# KiCad board haptic display 8x8 aisler.kicad_pcb (continued)
## Routing (per net, layer and track width the routed paths; a pad name or vN(x,y) marks a point on that pad's centre or on a via; arc(x,y) is an arc through that point) (continued)
81.19,66.73 81.4,66.57 81.58,66.4 81.74,66.2 81.88,65.98 81.99,65.75 82.07,65.51 82.12,65.26 82.14,65 82.13,64.74 82.08,64.49 82.01,64.24 81.91,64 81.78,63.77 81.62,63.56 81.44,63.37 81.24,63.21 81.01,63.07 80.78,62.96 80.52,62.87 80.26,62.82 80,62.8 79.75,62.81 79.51,62.85 79.27,62.91 79.04,63 78.82,63.12 78.61,63.26 78.42,63.42 78.25,63.61 78.1,63.81 77.98,64.03 77.88,64.26 77.8,64.5 77.76,64.75 77.74,65 77.75,65.25 77.79,65.51 77.85,65.75 77.95,65.99 78.07,66.22 78.21,66.43 78.38,66.62 78.57,66.8 78.77,66.95 79,67.08 79.24,67.18 79.48,67.26 79.74,67.31 80,67.33 80.26,67.31 80.52,67.28 80.77,67.21 81.02,67.11 81.25,66.99 81.47,66.84 81.67,66.67 81.85,66.47 82,66.26 82.13,66.03 82.24,65.78 82.32,65.53 82.37,65.27 82.39,65 82.38,64.73 82.34,64.47 82.27,64.21 82.17,63.96 82.04,63.72 81.89,63.49 81.71,63.29 81.51,63.11 81.29,62.94 81.06,62.81 80.8,62.7 80.54,62.62 80.27,62.57 80,62.55 79.74,62.56 79.49,62.6 79.24,62.66 79,62.75 78.76,62.86 78.55,63 78.34,63.16 78.15,63.34 77.99,63.54 77.84,63.75 77.72,63.98 77.62,64.23 77.55,64.48 77.51,64.74 77.49,65 77.5,65.26 77.53,65.52 77.6,65.78 77.69,66.03 77.81,66.27 77.95,66.49 78.11,66.7 78.3,66.89 78.5,67.06 78.72,67.21 78.96,67.34 79.21,67.44 79.47,67.51 79.73,67.56 80,67.58 80.27,67.57 80.54,67.53 80.8,67.46 81.05,67.37 81.3,67.25 81.53,67.1 81.74,66.94 81.94,66.75 82.11,66.54 82.27,66.31 82.39,66.07 82.5,65.81 82.57,65.55 82.62,65.28 82.64,65 82.63,64.72 82.59,64.45 82.52,64.18 82.42,63.92 82.3,63.67 82.15,63.44 81.98,63.22 81.79,63.02 81.57,62.84 81.34,62.68 81.09,62.55 80.83,62.44 80.56,62.37 80.28,62.32 80,62.3 79.73,62.31 79.47,62.34 79.21,62.41 78.96,62.49 78.72,62.6 78.49,62.74 78.27,62.89 78.07,63.07 77.89,63.26 77.72,63.48 77.58,63.71 77.46,63.95 77.37,64.2 77.3,64.46 77.25,64.73 77.24,65 77.25,65.27 77.28,65.54 77.35,65.81 77.43,66.06 77.55,66.31 77.68,66.55 77.84,66.77 78.02,66.98 78.23,67.16 78.44,67.33 78.68,67.47 78.92,67.6 79.18,67.69 79.45,67.76 79.72,67.81 80,67.83 80.28,67.82 80.55,67.78 80.82,67.71 81.09,67.62 81.34,67.51 81.58,67.37 81.81,67.2 82.02,67.02 82.21,66.81 82.38,66.59 82.53,66.35 82.65,66.1 82.75,65.83 82.82,65.56 82.87,65.28 82.89,65 82.88,64.72 82.84,64.44 82.77,64.16 82.68,63.89 82.56,63.63 82.42,63.38 82.25,63.15 82.06,62.94 81.85,62.74 81.63,62.57 81.38,62.42 81.12,62.29 80.85,62.19 80.57,62.11 80.29,62.07 80,62.05 79.73,62.06 79.46,62.09 79.19,62.15 78.93,62.24 78.68,62.34 78.44,62.47 78.21,62.63 77.99,62.8 77.8,62.99 77.62,63.2 77.46,63.43 77.32,63.67 77.2,63.92 77.11,64.18 77.05,64.45 77,64.72 76.99,65 77,65.28 77.03,65.55 77.09,65.83 77.18,66.09 77.29,66.35 77.42,66.6 77.58,66.83 77.75,67.05 77.95,67.25 78.16,67.43 78.39,67.6 78.64,67.74 78.89,67.85 79.16,67.95 79.44,68.02 79.72,68.06 80,68.08 80.28,68.07 80.57,68.03 80.84,67.97 81.12,67.88 81.38,67.77 81.63,67.63 81.87,67.47 82.09,67.29 82.3,67.09 82.48,66.88 82.65,66.64 82.79,66.39 82.91,66.13 83.01,65.86 83.08,65.58 83.12,65.29 83.14,65 83.13,64.71 83.09,64.42 83.03,64.14 82.94,63.86 82.83,63.59 82.69,63.34 82.52,63.09 82.34,62.87 82.14,62.66 81.91,62.47 81.67,62.3 81.42,62.15 81.15,62.03 80.87,61.93 80.59,61.86 80.29,61.82 80,61.8 79.72,61.81 79.44,61.84 79.17,61.9 78.9,61.98 78.64,62.08 78.39,62.21 78.15,62.36 77.93,62.53 77.72,62.72 77.52,62.92 77.35,63.14 77.19,63.38 77.06,63.63 76.95,63.89 76.86,64.16 76.79,64.43 76.75,64.72 76.74,65 76.75,65.28 76.78,65.57 76.84,65.85 76.92,66.12 77.03,66.39 77.16,66.64 77.31,66.89 77.48,67.11 77.67,67.33 77.88,67.53 78.11,67.7 78.35,67.86 78.6,68 78.87,68.11 79.14,68.2 79.42,68.27 79.71,68.31 80,68.33 80.29,68.32 80.58,68.28 80.86,68.22 81.14,68.14 81.41,68.03 81.67,67.9 81.92,67.74 82.16,67.57 82.37,67.37 82.57,67.16 82.75,66.93 82.92,66.68 83.05,66.42 83.17,66.15 83.26,65.87 83.33,65.59 83.37,65.29 83.39,65 83.38,64.7 83.34,64.41 83.28,64.12 83.2,63.84 83.09,63.56 82.95,63.3 82.79,63.04 82.62,62.8 82.42,62.58 82.2,62.38 81.96,62.19 81.71,62.03 81.45,61.89 81.18,61.77 80.89,61.68 80.6,61.61 80.3,61.57 80,61.55 79.71,61.56 79.43,61.59 79.15,61.65 78.88,61.72 78.61,61.83 78.35,61.95 78.1,62.09 77.86,62.26 77.64,62.44 77.44,62.64 77.25,62.86 77.08,63.09 76.93,63.34 76.8,63.6 76.69,63.86 76.6,64.14 76.54,64.42 76.5,64.71 76.49,65 76.5,65.29 76.53,65.58 76.59,65.86 76.67,66.14 76.77,66.42 76.89,66.68 77.04,66.93 77.21,67.17 77.39,67.4 77.6,67.61 77.82,67.8 78.06,67.97 78.31,68.13 78.57,68.26 78.84,68.37 79.12,68.46 79.41,68.52 79.71,68.56 80,68.58 80.3,68.57 80.59,68.53 80.88,68.48 81.17,68.39 81.44,68.29 81.71,68.16 81.97,68.01 82.21,67.84 82.44,67.65 82.65,67.44 82.85,67.22 83.03,66.98 83.18,66.72 83.32,66.45 83.43,66.18 83.52,65.89 83.58,65.6 83.62,65.3 83.64,65 83.63,64.7 83.59,64.4 83.54,64.1 83.45,63.81 83.35,63.53 83.22,63.26 83.06,63 82.89,62.75 82.7,62.52 82.49,62.3 82.26,62.1 82.01,61.92 81.75,61.76 81.48,61.63 81.2,61.51 80.91,61.42 80.61,61.36 80.31,61.32 80,61.3 79.71,61.31 79.42,61.34 79.13,61.39 78.85,61.47 78.58,61.57 78.31,61.69 78.06,61.83 77.81,61.99 77.58,62.17 77.36,62.36 77.16,62.57 76.98,62.8 76.81,63.05 76.66,63.3 76.54,63.57 76.43,63.84 76.35,64.12 76.29,64.41 76.25,64.71 76.24,65 76.25,65.3 76.28,65.59 76.33,65.88 76.41,66.17 76.51,66.45 76.63,66.72 76.77,66.98 76.94,67.23 77.12,67.46 77.32,67.68 77.53,67.89 77.77,68.07 78.01,68.24 78.27,68.39 78.54,68.52 78.82,68.63 79.11,68.71 79.4,68.77 79.7,68.81 80,68.83 80.3,68.82 80.6,68.78 80.9,68.73 81.19,68.65 81.47,68.55 81.75,68.42 82.01,68.28 82.26,68.11 82.5,67.93 82.73,67.73 82.93,67.51 83.12,67.27 83.3,67.02 83.45,66.76 83.58,66.48 83.69,66.2 83.77,65.91 83.83,65.61 83.87,65.3 83.89,65 83.88,64.69 83.85,64.39 83.79,64.09 83.71,63.79 83.61,63.51 83.48,63.23 83.33,62.96 83.17,62.7 82.98,62.46 82.77,62.23 82.55,62.02 82.31,61.82 82.05,61.65 81.78,61.5 81.51,61.37 81.22,61.26 80.92,61.17 80.62,61.1 80.31,61.07 80,61.05 79.7,61.06 79.41,61.09 79.12,61.14 78.83,61.21 78.55,61.31 78.28,61.43 78.01,61.56 77.76,61.72 77.52,61.89 77.29,62.08 77.08,62.29 76.88,62.51 76.7,62.75 76.54,63 76.4,63.27 76.28,63.54 76.18,63.82 76.1,64.11 76.04,64.4 76,64.7 75.99,65 76,65.3 76.03,65.6 76.08,65.89 76.15,66.19 76.25,66.47 76.37,66.75 76.51,67.02 76.67,67.27 76.84,67.52 77.04,67.75 77.25,67.97 77.48,68.17 77.72,68.35 77.97,68.51 78.24,68.66 78.52,68.78 78.8,68.88 79.1,68.96 79.39,69.02 79.7,69.06 80,69.08 80.3,69.07 80.61,69.04 80.91,68.98 81.2,68.91 81.49,68.81 81.78,68.69 82.05,68.55 82.31,68.39 82.56,68.21 82.79,68.01 83.01,67.79 83.21,67.56 83.4,67.32 83.57,67.06 83.71,66.79 83.84,66.51 83.94,66.22 84.03,65.92 84.09,65.62 84.12,65.31 84.14,65 84.13,64.69 84.1,64.38 84.04,64.08 83.97,63.78 83.87,63.48 83.74,63.2 83.6,62.92 83.44,62.66 83.26,62.4 83.05,62.17 82.84,61.94 82.6,61.74 82.35,61.55 82.09,61.38 81.81,61.23 81.53,61.1 81.23,61 80.93,60.91 80.63,60.85 80.31,60.81 80,60.8 79.7,60.81 79.4,60.84 79.11,60.89 78.81,60.96 78.53,61.05 78.25,61.16 77.98,61.3 77.72,61.45 77.47,61.62 77.23,61.8 77.01,62.01 76.8,62.23 76.61,62.46 76.43,62.71 76.28,62.97 76.14,63.24 76.02,63.52 75.92,63.8 75.84,64.1 75.79,64.39 75.75,64.7 75.74,65 75.75,65.3 75.78,65.61 75.83,65.91 75.9,66.2 75.99,66.49 76.11,66.78 76.24,67.05 76.4,67.32 76.57,67.57 76.76,67.81 76.96,68.04 77.19,68.25 77.42,68.44 77.67,68.62 77.94,68.78 78.21,68.92 78.49,69.04 78.78,69.14 79.08,69.22 79.39,69.28 79.69,69.31 80,69.33 80.31,69.32 80.62,69.29 80.92,69.23 81.22,69.16 81.52,69.07 81.8,68.95 82.08,68.81 82.35,68.66 82.61,68.48 82.85,68.29 83.08,68.08 83.29,67.85 83.49,67.61 83.67,67.36 83.83,67.09 83.98,66.82 84.1,66.53 84.2,66.23 84.28,65.93 84.34,65.62 84.37,65.31 84.39,65 84.38,64.69 84.35,64.37 84.3,64.07 84.22,63.76 84.12,63.46 84.01,63.17 83.87,62.89 83.71,62.62 83.53,62.36 83.34,62.11 83.12,61.88 82.9,61.66 82.65,61.46 82.39,61.28 82.12,61.11 81.84,60.97 81.55,60.84 81.25,60.74 80.94,60.66 80.63,60.6 80.32,60.56 80,60.55 80,60.35 v1(80.35,60) ; 80.41,48.98 80.36,48.96 80,48.6 80,48.55 79.79,48.56 79.59,48.6 79.39,48.67 79.2,48.76 79.03,48.88 78.88,49.03 78.75,49.19 78.64,49.38 78.56,49.58 78.51,49.79 78.49,50 78.5,50.22 78.54,50.43 78.61,50.64 78.71,50.83 78.84,51.01 78.99,51.17 79.16,51.31 79.35,51.42 79.56,51.5 79.78,51.55 80,51.58 80.22,51.56 80.45,51.52 80.66,51.45 80.86,51.34 81.05,51.21 81.22,51.05 81.36,50.87 81.47,50.67 81.56,50.46 81.62,50.23 81.64,50 81.63,49.77 81.58,49.54 81.51,49.31 81.4,49.1 81.26,48.91 81.09,48.74 80.91,48.59 80.7,48.47 80.48,48.38 80.24,48.32 80,48.3 79.78,48.31 79.56,48.35 79.34,48.41 79.14,48.51 78.95,48.63 78.78,48.78 78.62,48.94 78.49,49.13 78.39,49.33 78.31,49.55 78.26,49.77 78.24,50 78.25,50.23 78.29,50.46 78.36,50.68 78.46,50.89 78.58,51.09 78.73,51.27 78.9,51.43 79.1,51.56 79.31,51.67 79.53,51.75 79.76,51.8 80,51.83 80.24,51.81 80.48,51.77 80.7,51.7 80.92,51.6 81.13,51.47 81.31,51.31 81.48,51.13 81.62,50.93 81.73,50.72 81.81,50.49 81.87,50.25 81.89,50 81.88,49.75 81.83,49.51 81.76,49.27 81.65,49.05 81.52,48.84 81.36,48.64 81.17,48.47 80.96,48.33 80.74,48.21 80.5,48.13 80.25,48.07 80,48.05 79.76,48.06 79.53,48.1 79.3,48.16 79.08,48.26 78.88,48.38 78.69,48.52 78.52,48.68 78.36,48.87 78.24,49.07 78.13,49.29 78.06,49.52 78.01,49.76 77.99,50 78,50.24 78.04,50.48 78.1,50.72 78.2,50.94 78.32,51.16 78.47,51.35 78.64,51.53 78.83,51.69 79.04,51.82 79.27,51.93 79.51,52.01 79.75,52.06 80,52.08 80.25,52.06 80.5,52.02 80.74,51.95 80.97,51.85 81.19,51.73 81.4,51.57 81.58,51.4 81.74,51.2 81.88,50.98 81.99,50.75 82.07,50.51 82.12,50.26 82.14,50 82.13,49.74 82.08,49.49 82.01,49.24 81.91,49 81.78,48.77 81.62,48.56 81.44,48.37 81.24,48.21 81.01,48.07 80.78,47.96 80.52,47.87 80.26,47.82 80,47.8 79.75,47.81 79.51,47.85 79.27,47.91 79.04,48 78.82,48.12 78.61,48.26 78.42,48.42 78.25,48.61 78.1,48.81 77.98,49.03 77.88,49.26 77.8,49.5 77.76,49.75 77.74,50 77.75,50.25 77.79,50.51 77.85,50.75 77.95,50.99 78.07,51.22 78.21,51.43 78.38,51.62 78.57,51.8 78.77,51.95 79,52.08 79.24,52.18 79.48,52.26 79.74,52.31 80,52.33 80.26,52.31 80.52,52.28 80.77,52.21 81.02,52.11 81.25,51.99 81.47,51.84 81.67,51.67 81.85,51.47 82,51.26 82.13,51.03 82.24,50.78 82.32,50.53 82.37,50.27 82.39,50 82.38,49.73 82.34,49.47 82.27,49.21 82.17,48.96 82.04,48.72 81.89,48.49 81.71,48.29 81.51,48.11 81.29,47.94 81.06,47.81 80.8,47.7 80.54,47.62 80.27,47.57 80,47.55 79.74,47.56 79.49,47.6 79.24,47.66 79,47.75 78.76,47.86 78.55,48 78.34,48.16 78.15,48.34 77.99,48.54 77.84,48.75 77.72,48.98 77.62,49.23 77.55,49.48 77.51,49.74 77.49,50 77.5,50.26 77.53,50.52 77.6,50.78 77.69,51.03 77.81,51.27 77.95,51.49 78.11,51.7 78.3,51.89 78.5,52.06 78.72,52.21 78.96,52.34 79.21,52.44 79.47,52.51 79.73,52.56 80,52.58 80.27,52.57 80.54,52.53 80.8,52.46 81.05,52.37 81.3,52.25 81.53,52.1 81.74,51.94 81.94,51.75 82.11,51.54 82.27,51.31 82.39,51.07 82.5,50.81 82.57,50.55 82.62,50.28 82.64,50 82.63,49.72 82.59,49.45 82.52,49.18 82.42,48.92 82.3,48.67 82.15,48.44 81.98,48.22 81.79,48.02 81.57,47.84 81.34,47.68 81.09,47.55 80.83,47.44 80.56,47.37 80.28,47.32 80,47.3 79.73,47.31 79.47,47.34 79.21,47.41 78.96,47.49 78.72,47.6 78.49,47.74 78.27,47.89 78.07,48.07 77.89,48.26 77.72,48.48 77.58,48.71 77.46,48.95 77.37,49.2 77.3,49.46 77.25,49.73 77.24,50 77.25,50.27 77.28,50.54 77.35,50.81 77.43,51.06 77.55,51.31 77.68,51.55 77.84,51.77 78.02,51.98 78.23,52.16 78.44,52.33 78.68,52.47 78.92,52.6 79.18,52.69 79.45,52.76 79.72,52.81 80,52.83 80.28,52.82 80.55,52.78 80.82,52.71 81.09,52.62 81.34,52.51 81.58,52.37 81.81,52.2 82.02,52.02 82.21,51.81 82.38,51.59 82.53,51.35 82.65,51.1 82.75,50.83 82.82,50.56 82.87,50.28 82.89,50 82.88,49.72 82.84,49.44 82.77,49.16 82.68,48.89 82.56,48.63 82.42,48.38 82.25,48.15 82.06,47.94 81.85,47.74 81.63,47.57 81.38,47.42 81.12,47.29 80.85,47.19 80.57,47.11 80.29,47.07 80,47.05 79.73,47.06 79.46,47.09 79.19,47.15 78.93,47.24 78.68,47.34 78.44,47.47 78.21,47.63 77.99,47.8 77.8,47.99 77.62,48.2 77.46,48.43 77.32,48.67 77.2,48.92 77.11,49.18 77.05,49.45 77,49.72 76.99,50 77,50.28 77.03,50.55 77.09,50.83 77.18,51.09 77.29,51.35 77.42,51.6 77.58,51.83 77.75,52.05 77.95,52.25 78.16,52.43 78.39,52.6 78.64,52.74 78.89,52.85 79.16,52.95 79.44,53.02 79.72,53.06 80,53.08 80.28,53.07 80.57,53.03 80.84,52.97 81.12,52.88 81.38,52.77 81.63,52.63 81.87,52.47 82.09,52.29 82.3,52.09 82.48,51.88 82.65,51.64 82.79,51.39 82.91,51.13 83.01,50.86 83.08,50.58 83.12,50.29 83.14,50 83.13,49.71 83.09,49.42 83.03,49.14 82.94,48.86 82.83,48.59 82.69,48.34 82.52,48.09 82.34,47.87 82.14,47.66 81.91,47.47 81.67,47.3 81.42,47.15 81.15,47.03 80.87,46.93 80.59,46.86 80.29,46.82 80,46.8 79.72,46.81 79.44,46.84 79.17,46.9 78.9,46.98 78.64,47.08 78.39,47.21 78.15,47.36 77.93,47.53 77.72,47.72 77.52,47.92 77.35,48.14 77.19,48.38 77.06,48.63 76.95,48.89 76.86,49.16 76.79,49.43 76.75,49.72 76.74,50 76.75,50.28 76.78,50.57 76.84,50.85 76.92,51.12 77.03,51.39 77.16,51.64 77.31,51.89 77.48,52.11 77.67,52.33 77.88,52.53 78.11,52.7 78.35,52.86 78.6,53 78.87,53.11 79.14,53.2 79.42,53.27 79.71,53.31 80,53.33 80.29,53.32 80.58,53.28 80.86,53.22 81.14,53.14 81.41,53.03 81.67,52.9 81.92,52.74 82.16,52.57 82.37,52.37 82.57,52.16 82.75,51.93 82.92,51.68 83.05,51.42 83.17,51.15 83.26,50.87 83.33,50.59 83.37,50.29 83.39,50 83.38,49.7 83.34,49.41 83.28,49.12 83.2,48.84 83.09,48.56 82.95,48.3 82.79,48.04 82.62,47.8 82.42,47.58 82.2,47.38 81.96,47.19 81.71,47.03 81.45,46.89 81.18,46.77 80.89,46.68 80.6,46.61 80.3,46.57 80,46.55 79.71,46.56 79.43,46.59 79.15,46.65 78.88,46.72 78.61,46.83 78.35,46.95 78.1,47.09 77.86,47.26 77.64,47.44 77.44,47.64 77.25,47.86 77.08,48.09 76.93,48.34 76.8,48.6 76.69,48.86 76.6,49.14 76.54,49.42 76.5,49.71 76.49,50 76.5,50.29 76.53,50.58 76.59,50.86 76.67,51.14 76.77,51.42 76.89,51.68 77.04,51.93 77.21,52.17 77.39,52.4 77.6,52.61 77.82,52.8 78.06,52.97 78.31,53.13 78.57,53.26 78.84,53.37 79.12,53.46 79.41,53.52 79.71,53.56 80,53.58 80.3,53.57 80.59,53.53 80.88,53.48 81.17,53.39 81.44,53.29 81.71,53.16 81.97,53.01 82.21,52.84 82.44,52.65 82.65,52.44 82.85,52.22 83.03,51.98 83.18,51.72 83.32,51.45 83.43,51.18 83.52,50.89 83.58,50.6 83.62,50.3 83.64,50 83.63,49.7 83.59,49.4 83.54,49.1 83.45,48.81 83.35,48.53 83.22,48.26 83.06,48 82.89,47.75 82.7,47.52 82.49,47.3 82.26,47.1 82.01,46.92 81.75,46.76 81.48,46.63 81.2,46.51 80.91,46.42 80.61,46.36 80.31,46.32 80,46.3 79.71,46.31 79.42,46.34 79.13,46.39 78.85,46.47 78.58,46.57 78.31,46.69 78.06,46.83 77.81,46.99 77.58,47.17 77.36,47.36 77.16,47.57 76.98,47.8 76.81,48.05 76.66,48.3 76.54,48.57 76.43,48.84 76.35,49.12 76.29,49.41 76.25,49.71 76.24,50 76.25,50.3 76.28,50.59 76.33,50.88 76.41,51.17 76.51,51.45 76.63,51.72 76.77,51.98 76.94,52.23 77.12,52.46 77.32,52.68 77.53,52.89 77.77,53.07 78.01,53.24 78.27,53.39 78.54,53.52 78.82,53.63 79.11,53.71 79.4,53.77 79.7,53.81 80,53.83 80.3,53.82 80.6,53.78 80.9,53.73 81.19,53.65 81.47,53.55 81.75,53.42 82.01,53.28 82.26,53.11 82.5,52.93 82.73,52.73 82.93,52.51 83.12,52.27 83.3,52.02 83.45,51.76 83.58,51.48 83.69,51.2 83.77,50.91 83.83,50.61 83.87,50.3 83.89,50 83.88,49.69 83.85,49.39 83.79,49.09 83.71,48.79 83.61,48.51 83.48,48.23 83.33,47.96 83.17,47.7 82.98,47.46 82.77,47.23 82.55,47.02 82.31,46.82 82.05,46.65 81.78,46.5 81.51,46.37 81.22,46.26 80.92,46.17 80.62,46.1 80.31,46.07 80,46.05 79.7,46.06 79.41,46.09 79.12,46.14 78.83,46.21 78.55,46.31 78.28,46.43 78.01,46.56 77.76,46.72 77.52,46.89 77.29,47.08 77.08,47.29 76.88,47.51 76.7,47.75 76.54,48 76.4,48.27 76.28,48.54 76.18,48.82 76.1,49.11 76.04,49.4 76,49.7 75.99,50 76,50.3 76.03,50.6 76.08,50.89 76.15,51.19 76.25,51.47 76.37,51.75 76.51,52.02 76.67,52.27 76.84,52.52 77.04,52.75 77.25,52.97 77.48,53.17 77.72,53.35 77.97,53.51 78.24,53.66 78.52,53.78 78.8,53.88 79.1,53.96 79.39,54.02 79.7,54.06 80,54.08 80.3,54.07 80.61,54.04 80.91,53.98 81.2,53.91 81.49,53.81 81.78,53.69 82.05,53.55 82.31,53.39 82.56,53.21 82.79,53.01 83.01,52.79 83.21,52.56 83.4,52.32 83.57,52.06 83.71,51.79 83.84,51.51 83.94,51.22 84.03,50.92 84.09,50.62 84.12,50.31 84.14,50 84.13,49.69 84.1,49.38 84.04,49.08 83.97,48.78 83.87,48.48 83.74,48.2 83.6,47.92 83.44,47.66 83.26,47.4 83.05,47.17 82.84,46.94 82.6,46.74 82.35,46.55 82.09,46.38 81.81,46.23 81.53,46.1 81.23,46 80.93,45.91 80.63,45.85 80.31,45.81 80,45.8 79.7,45.81 79.4,45.84 79.11,45.89 78.81,45.96 78.53,46.05 78.25,46.16 77.98,46.3 77.72,46.45 77.47,46.62 77.23,46.8 77.01,47.01 76.8,47.23 76.61,47.46 76.43,47.71 76.28,47.97 76.14,48.24 76.02,48.52 75.92,48.8 75.84,49.1 75.79,49.39 75.75,49.7 75.74,50 75.75,50.3 75.78,50.61 75.83,50.91 75.9,51.2 75.99,51.49 76.11,51.78 76.24,52.05 76.4,52.32 76.57,52.57 76.76,52.81 76.96,53.04 77.19,53.25 77.42,53.44 77.67,53.62 77.94,53.78 78.21,53.92 78.49,54.04 78.78,54.14 79.08,54.22 79.39,54.28 79.69,54.31 80,54.33 80.31,54.32 80.62,54.29 80.92,54.23 81.22,54.16 81.52,54.07 81.8,53.95 82.08,53.81 82.35,53.66 82.61,53.48 82.85,53.29 83.08,53.08 83.29,52.85 83.49,52.61 83.67,52.36 83.83,52.09 83.98,51.82 84.1,51.53 84.2,51.23 84.28,50.93 84.34,50.62 84.37,50.31 84.39,50 84.38,49.69 84.35,49.37 84.3,49.07 84.22,48.76 84.12,48.46 84.01,48.17 83.87,47.89 83.71,47.62 83.53,47.36 83.34,47.11 83.12,46.88 82.9,46.66 82.65,46.46 82.39,46.28 82.12,46.11 81.84,45.97 81.55,45.84 81.25,45.74 80.94,45.66 80.63,45.6 80.32,45.56 80,45.55 80,45.35 v1(80.35,45) ; 80.41,33.98 80.36,33.96 80,33.6 80,33.55 79.79,33.56 79.59,33.6 79.39,33.67 79.2,33.76 79.03,33.88 78.88,34.03 78.75,34.19 78.64,34.38 78.56,34.58 78.51,34.79 78.49,35 78.5,35.22 78.54,35.43 78.61,35.64 78.71,35.83 78.84,36.01 78.99,36.17 79.16,36.31 79.35,36.42 79.56,36.5 79.78,36.55 80,36.57 80.22,36.56 80.45,36.52 80.66,36.45 80.86,36.34 81.05,36.21 81.22,36.05 81.36,35.87 81.47,35.67 81.56,35.46 81.62,35.23 81.64,35 81.63,34.77 81.58,34.54 81.51,34.31 81.4,34.1 81.26,33.91 81.09,33.74 80.91,33.59 80.7,33.47 80.48,33.38 80.24,33.32 80,33.3 79.78,33.31 79.56,33.35 79.34,33.41 79.14,33.51 78.95,33.63 78.78,33.78 78.62,33.94 78.49,34.13 78.39,34.33 78.31,34.55 78.26,34.77 78.24,35 78.25,35.23 78.29,35.46 78.36,35.68 78.46,35.89 78.58,36.09 78.73,36.27 78.9,36.43 79.1,36.56 79.31,36.67 79.53,36.75 79.76,36.8 80,36.82 80.24,36.81 80.48,36.77 80.7,36.7 80.92,36.6 81.13,36.47 81.31,36.31 81.48,36.13 81.62,35.93 81.73,35.72 81.81,35.49 81.87,35.25 81.89,35 81.88,34.75 81.83,34.51 81.76,34.27 81.65,34.05 81.52,33.84 81.36,33.64 81.17,33.47 80.96,33.33 80.74,33.21 80.5,33.13 80.25,33.07 80,33.05 79.76,33.06 79.53,33.1 79.3,33.16 79.08,33.26 78.88,33.38 78.69,33.52 78.52,33.68 78.36,33.87 78.24,34.07 78.13,34.29 78.06,34.52 78.01,34.76 77.99,35 78,35.24 78.04,35.48 78.1,35.72 78.2,35.94 78.32,36.16 78.47,36.35 78.64,36.53 78.83,36.69 79.04,36.82 79.27,36.93 79.51,37.01 79.75,37.06 80,37.07 80.25,37.06 80.5,37.02 80.74,36.95 80.97,36.85 81.19,36.73 81.4,36.57 81.58,36.4 81.74,36.2 81.88,35.98 81.99,35.75 82.07,35.51 82.12,35.26 82.14,35 82.13,34.74 82.08,34.49 82.01,34.24 81.91,34 81.78,33.77 81.62,33.56 81.44,33.37 81.24,33.21 81.01,33.07 80.78,32.96 80.52,32.87 80.26,32.82 80,32.8 79.75,32.81 79.51,32.85 79.27,32.91 79.04,33 78.82,33.12 78.61,33.26 78.42,33.42 78.25,33.61 78.1,33.81 77.98,34.03 77.88,34.26 77.8,34.5 77.76,34.75 77.74,35 77.75,35.25 77.79,35.51 77.85,35.75 77.95,35.99 78.07,36.22 78.21,36.43 78.38,36.62 78.57,36.8 78.77,36.95 79,37.08 79.24,37.18 79.48,37.26 79.74,37.31 80,37.32 80.26,37.31 80.52,37.28 80.77,37.21 81.02,37.11 81.25,36.99 81.47,36.84 81.67,36.67 81.85,36.47 82,36.26 82.13,36.03 82.24,35.78 82.32,35.53 82.37,35.27 82.39,35 82.38,34.73 82.34,34.47 82.27,34.21 82.17,33.96 82.04,33.72 81.89,33.49 81.71,33.29 81.51,33.11 81.29,32.94 81.06,32.81 80.8,32.7 80.54,32.62 80.27,32.57 80,32.55 79.74,32.56 79.49,32.6 79.24,32.66 79,32.75 78.76,32.86 78.55,33 78.34,33.16 78.15,33.34 77.99,33.54 77.84,33.75 77.72,33.98 77.62,34.23 77.55,34.48 77.51,34.74 77.49,35 77.5,35.26 77.53,35.52 77.6,35.78 77.69,36.03 77.81,36.27 77.95,36.49 78.11,36.7 78.3,36.89 78.5,37.06 78.72,37.21 78.96,37.34 79.21,37.44 79.47,37.51 79.73,37.56 80,37.57 80.27,37.57 80.54,37.53 80.8,37.46 81.05,37.37 81.3,37.25 81.53,37.1 81.74,36.94 81.94,36.75 82.11,36.54 82.27,36.31 82.39,36.07 82.5,35.81 82.57,35.55 82.62,35.28 82.64,35 82.63,34.72 82.59,34.45 82.52,34.18 82.42,33.92 82.3,33.67 82.15,33.44 81.98,33.22 81.79,33.02 81.57,32.84 81.34,32.68 81.09,32.55 80.83,32.44 80.56,32.37 80.28,32.32 80,32.3 79.73,32.31 79.47,32.34 79.21,32.41 78.96,32.49 78.72,32.6 78.49,32.74 78.27,32.89 78.07,33.07 77.89,33.26 77.72,33.48 77.58,33.71 77.46,33.95 77.37,34.2 77.3,34.46 77.25,34.73 77.24,35 77.25,35.27 77.28,35.54 77.35,35.81 77.43,36.06 77.55,36.31 77.68,36.55 77.84,36.77 78.02,36.98 78.23,37.16 78.44,37.33 78.68,37.47 78.92,37.6 79.18,37.69 79.45,37.76 79.72,37.81 80,37.82 80.28,37.82 80.55,37.78 80.82,37.71 81.09,37.62 81.34,37.51 81.58,37.37 81.81,37.2 82.02,37.02 82.21,36.81 82.38,36.59 82.53,36.35 82.65,36.1 82.75,35.83 82.82,35.56 82.87,35.28 82.89,35 82.88,34.72 82.84,34.44 82.77,34.16 82.68,33.89 82.56,33.63 82.42,33.38 82.25,33.15 82.06,32.94 81.85,32.74 81.63,32.57 81.38,32.42 81.12,32.29 80.85,32.19 80.57,32.11 80.29,32.07 80,32.05 79.73,32.06 79.46,32.09 79.19,32.15 78.93,32.24 78.68,32.34 78.44,32.47 78.21,32.63 77.99,32.8 77.8,32.99 77.62,33.2 77.46,33.43 77.32,33.67 77.2,33.92 77.11,34.18 77.05,34.45 77,34.72 76.99,35 77,35.28 77.03,35.55 77.09,35.83 77.18,36.09 77.29,36.35 77.42,36.6 77.58,36.83 77.75,37.05 77.95,37.25 78.16,37.43 78.39,37.6 78.64,37.74 78.89,37.85 79.16,37.95 79.44,38.02 79.72,38.06 80,38.07 80.28,38.07 80.57,38.03 80.84,37.97 81.12,37.88 81.38,37.77 81.63,37.63 81.87,37.47 82.09,37.29 82.3,37.09 82.48,36.88 82.65,36.64 82.79,36.39 82.91,36.13 83.01,35.86 83.08,35.58 83.12,35.29 83.14,35 83.13,34.71 83.09,34.42 83.03,34.14 82.94,33.86 82.83,33.59 82.69,33.34 82.52,33.09 82.34,32.87 82.14,32.66 81.91,32.47 81.67,32.3 81.42,32.15 81.15,32.03 80.87,31.93 80.59,31.86 80.29,31.82 80,31.8 79.72,31.81 79.44,31.84 79.17,31.9 78.9,31.98 78.64,32.08 78.39,32.21 78.15,32.36 77.93,32.53 77.72,32.72 77.52,32.92 77.35,33.14 77.19,33.38 77.06,33.63 76.95,33.89 76.86,34.16 76.79,34.43 76.75,34.72 76.74,35 76.75,35.28 76.78,35.57 76.84,35.85 76.92,36.12 77.03,36.39 77.16,36.64 77.31,36.89 77.48,37.11 77.67,37.33 77.88,37.53 78.11,37.7 78.35,37.86 78.6,38 78.87,38.11 79.14,38.2 79.42,38.27 79.71,38.31 80,38.32 80.29,38.32 80.58,38.28 80.86,38.22 81.14,38.14 81.41,38.03 81.67,37.9 81.92,37.74 82.16,37.57 82.37,37.37 82.57,37.16 82.75,36.93 82.92,36.68 83.05,36.42 83.17,36.15 83.26,35.87 83.33,35.59 83.37,35.29 83.39,35 83.38,34.7 83.34,34.41 83.28,34.12 83.2,33.84 83.09,33.56 82.95,33.3 82.79,33.04 82.62,32.8 82.42,32.58 82.2,32.38 81.96,32.19 81.71,32.03 81.45,31.89 81.18,31.77 80.89,31.68 80.6,31.61 80.3,31.57 80,31.55 79.71,31.56 79.43,31.59 79.15,31.65 78.88,31.72 78.61,31.83 78.35,31.95 78.1,32.09 77.86,32.26 77.64,32.44 77.44,32.64 77.25,32.86 77.08,33.09 76.93,33.34 76.8,33.6 76.69,33.86 76.6,34.14 76.54,34.42 76.5,34.71 76.49,35 76.5,35.29 76.53,35.58 76.59,35.86 76.67,36.14 76.77,36.42 76.89,36.68 77.04,36.93 77.21,37.17 77.39,37.4 77.6,37.61 77.82,37.8 78.06,37.97 78.31,38.13 78.57,38.26 78.84,38.37 79.12,38.46 79.41,38.52 79.71,38.56 80,38.57 80.3,38.57 80.59,38.53 80.88,38.48 81.17,38.39 81.44,38.29 81.71,38.16 81.97,38.01 82.21,37.84 82.44,37.65 82.65,37.44 82.85,37.22 83.03,36.98 83.18,36.72 83.32,36.45 83.43,36.18 83.52,35.89 83.58,35.6 83.62,35.3 83.64,35 83.63,34.7 83.59,34.4 83.54,34.1 83.45,33.81 83.35,33.53 83.22,33.26 83.06,33 82.89,32.75 82.7,32.52 82.49,32.3 82.26,32.1 82.01,31.92 81.75,31.76 81.48,31.63 81.2,31.51 80.91,31.42 80.61,31.36 80.31,31.32 80,31.3 79.71,31.31 79.42,31.34 79.13,31.39 78.85,31.47 78.58,31.57 78.31,31.69 78.06,31.83 77.81,31.99 77.58,32.17 77.36,32.36 77.16,32.57 76.98,32.8 76.81,33.05 76.66,33.3 76.54,33.57 76.43,33.84 76.35,34.12 76.29,34.41 76.25,34.71 76.24,35 76.25,35.3 76.28,35.59 76.33,35.88 76.41,36.17 76.51,36.45 76.63,36.72 76.77,36.98 76.94,37.23 77.12,37.46 77.32,37.68 77.53,37.89 77.77,38.07 78.01,38.24 78.27,38.39 78.54,38.52 78.82,38.63 79.11,38.71 79.4,38.77 79.7,38.81 80,38.82 80.3,38.82 80.6,38.78 80.9,38.73 81.19,38.65 81.47,38.55 81.75,38.42 82.01,38.28 82.26,38.11 82.5,37.93 82.73,37.73 82.93,37.51 83.12,37.27 83.3,37.02 83.45,36.76 83.58,36.48 83.69,36.2 83.77,35.91 83.83,35.61 83.87,35.3 83.89,35 83.88,34.69 83.85,34.39 83.79,34.09 83.71,33.79 83.61,33.51 83.48,33.23 83.33,32.96 83.17,32.7 82.98,32.46 82.77,32.23 82.55,32.02 82.31,31.82 82.05,31.65 81.78,31.5 81.51,31.37 81.22,31.26 80.92,31.17 80.62,31.1 80.31,31.07 80,31.05 79.7,31.06 79.41,31.09 79.12,31.14 78.83,31.21 78.55,31.31 78.28,31.43 78.01,31.56 77.76,31.72 77.52,31.89 77.29,32.08 77.08,32.29 76.88,32.51 76.7,32.75 76.54,33 76.4,33.27 76.28,33.54 76.18,33.82 76.1,34.11 76.04,34.4 76,34.7 75.99,35 76,35.3 76.03,35.6 76.08,35.89 76.15,36.19 76.25,36.47 76.37,36.75 76.51,37.02 76.67,37.27 76.84,37.52 77.04,37.75 77.25,37.97 77.48,38.17 77.72,38.35 77.97,38.51 78.24,38.66 78.52,38.78 78.8,38.88 79.1,38.96 79.39,39.02 79.7,39.06 80,39.07 80.3,39.07 80.61,39.04 80.91,38.98 81.2,38.91 81.49,38.81 81.78,38.69 82.05,38.55 82.31,38.39 82.56,38.21 82.79,38.01 83.01,37.79 83.21,37.56 83.4,37.32 83.57,37.06 83.71,36.79 83.84,36.51 83.94,36.22 84.03,35.92 84.09,35.62 84.12,35.31 84.14,35 84.13,34.69 84.1,34.38 84.04,34.08 83.97,33.78 83.87,33.48 83.74,33.2 83.6,32.92 83.44,32.66 83.26,32.4 83.05,32.17 82.84,31.94 82.6,31.74 82.35,31.55 82.09,31.38 81.81,31.23 81.53,31.1 81.23,31 80.93,30.91 80.63,30.85 80.31,30.81 80,30.8 79.7,30.81 79.4,30.84 79.11,30.89 78.81,30.96 78.53,31.05 78.25,31.16 77.98,31.3 77.72,31.45 77.47,31.62 77.23,31.8 77.01,32.01 76.8,32.23 76.61,32.46 76.43,32.71 76.28,32.97 76.14,33.24 76.02,33.52 75.92,33.8 75.84,34.1 75.79,34.39 75.75,34.7 75.74,35 75.75,35.3 75.78,35.61 75.83,35.91 75.9,36.2 75.99,36.49 76.11,36.78 76.24,37.05 76.4,37.32 76.57,37.57 76.76,37.81 76.96,38.04 77.19,38.25 77.42,38.44 77.67,38.62 77.94,38.78 78.21,38.92 78.49,39.04 78.78,39.14 79.08,39.22 79.39,39.28 79.69,39.31 80,39.32 80.31,39.32 80.62,39.29 80.92,39.23 81.22,39.16 81.52,39.07 81.8,38.95 82.08,38.81 82.35,38.66 82.61,38.48 82.85,38.29 83.08,38.08 83.29,37.85 83.49,37.61 83.67,37.36 83.83,37.09 83.98,36.82 84.1,36.53 84.2,36.23 84.28,35.93 84.34,35.62 84.37,35.31 84.39,35 84.38,34.69 84.35,34.37 84.3,34.07 84.22,33.76 84.12,33.46 84.01,33.17 83.87,32.89 83.71,32.62 83.53,32.36 83.34,32.11 83.12,31.88 82.9,31.66 82.65,31.46 82.39,31.28 82.12,31.11 81.84,30.97 81.55,30.84 81.25,30.74 80.94,30.66 80.63,30.6 80.32,30.56 80,30.55 80,30.35 v1(80.35,30) ; 80.41,18.98 80.36,18.96 80,18.6 80,18.55 79.79,18.56 79.59,18.6 79.39,18.67 79.2,18.76 79.03,18.88 78.88,19.03 78.75,19.19 78.64,19.38 78.56,19.58 78.51,19.79 78.49,20 78.5,20.22 78.54,20.43 78.61,20.64 78.71,20.83 78.84,21.01 78.99,21.17 79.16,21.31 79.35,21.42 79.56,21.5 79.78,21.55 80,21.57 80.22,21.56 80.45,21.52 80.66,21.45 80.86,21.34 81.05,21.21 81.22,21.05 81.36,20.87 81.47,20.67 81.56,20.46 81.62,20.23 81.64,20 81.63,19.77 81.58,19.54 81.51,19.31 81.4,19.1 81.26,18.91 81.09,18.74 80.91,18.59 80.7,18.47 80.48,18.38 80.24,18.32 80,18.3 79.78,18.31 79.56,18.35 79.34,18.41 79.14,18.51 78.95,18.63 78.78,18.78 78.62,18.94 78.49,19.13 78.39,19.33 78.31,19.55 78.26,19.77 78.24,20 78.25,20.23 78.29,20.46 78.36,20.68 78.46,20.89 78.58,21.09 78.73,21.27 78.9,21.43 79.1,21.56 79.31,21.67 79.53,21.75 79.76,21.8 80,21.82 80.24,21.81 80.48,21.77 80.7,21.7 80.92,21.6 81.13,21.47 81.31,21.31 81.48,21.13 81.62,20.93 81.73,20.72 81.81,20.49 81.87,20.25 81.89,20 81.88,19.75 81.83,19.51 81.76,19.27 81.65,19.05 81.52,18.84 81.36,18.64 81.17,18.47 80.96,18.33 80.74,18.21 80.5,18.13 80.25,18.07 80,18.05 79.76,18.06 79.53,18.1 79.3,18.16 79.08,18.26 78.88,18.38 78.69,18.52 78.52,18.68 78.36,18.87 78.24,19.07 78.13,19.29 78.06,19.52 78.01,19.76 77.99,20 78,20.24 78.04,20.48 78.1,20.72 78.2,20.94 78.32,21.16 78.47,21.35 78.64,21.53 78.83,21.69 79.04,21.82 79.27,21.93 79.51,22.01 79.75,22.06 80,22.07 80.25,22.06 80.5,22.02 80.74,21.95 80.97,21.85 81.19,21.73 81.4,21.57 81.58,21.4 81.74,21.2 81.88,20.98 81.99,20.75 82.07,20.51 82.12,20.26 82.14,20 82.13,19.74 82.08,19.49 82.01,19.24 81.91,19 81.78,18.77 81.62,18.56 81.44,18.37 81.24,18.21 81.01,18.07 80.78,17.96 80.52,17.87 80.26,17.82 80,17.8 79.75,17.81 79.51,17.85 79.27,17.91 79.04,18 78.82,18.12 78.61,18.26 78.42,18.42 78.25,18.61 78.1,18.81 77.98,19.03 77.88,19.26 77.8,19.5 77.76,19.75 77.74,20 77.75,20.25 77.79,20.51 77.85,20.75 77.95,20.99 78.07,21.22 78.21,21.43 78.38,21.62 78.57,21.8 78.77,21.95 79,22.08 79.24,22.18 79.48,22.26 79.74,22.31 80,22.32 80.26,22.31 80.52,22.28 80.77,22.21 81.02,22.11 81.25,21.99 81.47,21.84 81.67,21.67 81.85,21.47 82,21.26 82.13,21.03 82.24,20.78 82.32,20.53 82.37,20.27 82.39,20 82.38,19.73 82.34,19.47 82.27,19.21 82.17,18.96 82.04,18.72 81.89,18.49 81.71,18.29 81.51,18.11 81.29,17.94 81.06,17.81 80.8,17.7 80.54,17.62 80.27,17.57 80,17.55 79.74,17.56 79.49,17.6 79.24,17.66 79,17.75 78.76,17.86 78.55,18 78.34,18.16 78.15,18.34 77.99,18.54 77.84,18.75 77.72,18.98 77.62,19.23 77.55,19.48 77.51,19.74 77.49,20 77.5,20.26 77.53,20.52 77.6,20.78 77.69,21.03 77.81,21.27 77.95,21.49 78.11,21.7 78.3,21.89 78.5,22.06 78.72,22.21 78.96,22.34 79.21,22.44 79.47,22.51 79.73,22.56 80,22.57 80.27,22.57 80.54,22.53 80.8,22.46 81.05,22.37 81.3,22.25 81.53,22.1 81.74,21.94 81.94,21.75 82.11,21.54 82.27,21.31 82.39,21.07 82.5,20.81 82.57,20.55 82.62,20.28 82.64,20 82.63,19.72 82.59,19.45 82.52,19.18 82.42,18.92 82.3,18.67 82.15,18.44 81.98,18.22 81.79,18.02 81.57,17.84 81.34,17.68 81.09,17.55 80.83,17.44 80.56,17.37 80.28,17.32 80,17.3 79.73,17.31 79.47,17.34 79.21,17.41 78.96,17.49 78.72,17.6 78.49,17.74 78.27,17.89 78.07,18.07 77.89,18.26 77.72,18.48 77.58,18.71 77.46,18.95 77.37,19.2 77.3,19.46 77.25,19.73 77.24,20 77.25,20.27 77.28,20.54 77.35,20.81 77.43,21.06 77.55,21.31 77.68,21.55 77.84,21.77 78.02,21.98 78.23,22.16 78.44,22.33 78.68,22.47 78.92,22.6 79.18,22.69 79.45,22.76 79.72,22.81 80,22.82 80.28,22.82 80.55,22.78 80.82,22.71 81.09,22.62 81.34,22.51 81.58,22.37 81.81,22.2 82.02,22.02 82.21,21.81 82.38,21.59 82.53,21.35 82.65,21.1 82.75,20.83 82.82,20.56 82.87,20.28 82.89,20 82.88,19.72 82.84,19.44 82.77,19.16 82.68,18.89 82.56,18.63 82.42,18.38 82.25,18.15 82.06,17.94 81.85,17.74 81.63,17.57 81.38,17.42 81.12,17.29 80.85,17.19 80.57,17.11 80.29,17.07 80,17.05 79.73,17.06 79.46,17.09 79.19,17.15 78.93,17.24 78.68,17.34 78.44,17.47 78.21,17.63 77.99,17.8 77.8,17.99 77.62,18.2 77.46,18.43 77.32,18.67 77.2,18.92 77.11,19.18 77.05,19.45 77,19.72 76.99,20 77,20.28 77.03,20.55 77.09,20.83 77.18,21.09 77.29,21.35 77.42,21.6 77.58,21.83 77.75,22.05 77.95,22.25 78.16,22.43 78.39,22.6 78.64,22.74 78.89,22.85 79.16,22.95 79.44,23.02 79.72,23.06 80,23.07 80.28,23.07 80.57,23.03 80.84,22.97 81.12,22.88 81.38,22.77 81.63,22.63 81.87,22.47 82.09,22.29 82.3,22.09 82.48,21.88 82.65,21.64 82.79,21.39 82.91,21.13 83.01,20.86 83.08,20.58 83.12,20.29 83.14,20 83.13,19.71 83.09,19.42 83.03,19.14 82.94,18.86 82.83,18.59 82.69,18.34 82.52,18.09 82.34,17.87 82.14,17.66 81.91,17.47 81.67,17.3 81.42,17.15 81.15,17.03 80.87,16.93 80.59,16.86 80.29,16.82 80,16.8 79.72,16.81 79.44,16.84 79.17,16.9 78.9,16.98 78.64,17.08 78.39,17.21 78.15,17.36 77.93,17.53 77.72,17.72 77.52,17.92 77.35,18.14 77.19,18.38 77.06,18.63 76.95,18.89 76.86,19.16 76.79,19.43 76.75,19.72 76.74,20 76.75,20.28 76.78,20.57 76.84,20.85 76.92,21.12 77.03,21.39 77.16,21.64 77.31,21.89 77.48,22.11 77.67,22.33 77.88,22.53 78.11,22.7 78.35,22.86 78.6,23 78.87,23.11 79.14,23.2 79.42,23.27 79.71,23.31 80,23.32 80.29,23.32 80.58,23.28 80.86,23.22 81.14,23.14 81.41,23.03 81.67,22.9 81.92,22.74 82.16,22.57 82.37,22.37 82.57,22.16 82.75,21.93 82.92,21.68 83.05,21.42 83.17,21.15 83.26,20.87 83.33,20.59 83.37,20.29 83.39,20 83.38,19.7 83.34,19.41 83.28,19.12 83.2,18.84 83.09,18.56 82.95,18.3 82.79,18.04 82.62,17.8 82.42,17.58 82.2,17.38 81.96,17.19 81.71,17.03 81.45,16.89 81.18,16.77 80.89,16.68 80.6,16.61 80.3,16.57 80,16.55 79.71,16.56 79.43,16.59 79.15,16.65 78.88,16.72 78.61,16.83 78.35,16.95 78.1,17.09 77.86,17.26 77.64,17.44 77.44,17.64 77.25,17.86 77.08,18.09 76.93,18.34 76.8,18.6 76.69,18.86 76.6,19.14 76.54,19.42 76.5,19.71 76.49,20 76.5,20.29 76.53,20.58 76.59,20.86 76.67,21.14 76.77,21.42 76.89,21.68 77.04,21.93 77.21,22.17 77.39,22.4 77.6,22.61 77.82,22.8 78.06,22.97 78.31,23.13 78.57,23.26 78.84,23.37 79.12,23.46 79.41,23.52 79.71,23.56 80,23.57 80.3,23.57 80.59,23.53 80.88,23.48 81.17,23.39 81.44,23.29 81.71,23.16 81.97,23.01 82.21,22.84 82.44,22.65 82.65,22.44 82.85,22.22 83.03,21.98 83.18,21.72 83.32,21.45 83.43,21.18 83.52,20.89 83.58,20.6 83.62,20.3 83.64,20 83.63,19.7 83.59,19.4 83.54,19.1 83.45,18.81 83.35,18.53 83.22,18.26 83.06,18 82.89,17.75 82.7,17.52 82.49,17.3 82.26,17.1 82.01,16.92 81.75,16.76 81.48,16.63 81.2,16.51 80.91,16.42 80.61,16.36 80.31,16.32 80,16.3 79.71,16.31 79.42,16.34 79.13,16.39 78.85,16.47 78.58,16.57 78.31,16.69 78.06,16.83 77.81,16.99 77.58,17.17 77.36,17.36 77.16,17.57 76.98,17.8 76.81,18.05 76.66,18.3 76.54,18.57 76.43,18.84 76.35,19.12 76.29,19.41 76.25,19.71 76.24,20 76.25,20.3 76.28,20.59 76.33,20.88 76.41,21.17 76.51,21.45 76.63,21.72 76.77,21.98 76.94,22.23 77.12,22.46 77.32,22.68 77.53,22.89 77.77,23.07 78.01,23.24 78.27,23.39 78.54,23.52 78.82,23.63 79.11,23.71 79.4,23.77 79.7,23.81 80,23.82 80.3,23.82 80.6,23.78 80.9,23.73 81.19,23.65 81.47,23.55 81.75,23.42 82.01,23.28 82.26,23.11 82.5,22.93 82.73,22.73 82.93,22.51 83.12,22.27 83.3,22.02 83.45,21.76 83.58,21.48 83.69,21.2 83.77,20.91 83.83,20.61 83.87,20.3 83.89,20 83.88,19.69 83.85,19.39 83.79,19.09 83.71,18.79 83.61,18.51 83.48,18.23 83.33,17.96 83.17,17.7 82.98,17.46 82.77,17.23 82.55,17.02 82.31,16.82 82.05,16.65 81.78,16.5 81.51,16.37 81.22,16.26 80.92,16.17 80.62,16.1 80.31,16.07 80,16.05 79.7,16.06 79.41,16.09 79.12,16.14 78.83,16.21 78.55,16.31 78.28,16.43 78.01,16.56 77.76,16.72 77.52,16.89 77.29,17.08 77.08,17.29 76.88,17.51 76.7,17.75 76.54,18 76.4,18.27 76.28,18.54 76.18,18.82 76.1,19.11 76.04,19.4 76,19.7 75.99,20 76,20.3 76.03,20.6 76.08,20.89 76.15,21.19 76.25,21.47 76.37,21.75 76.51,22.02 76.67,22.27 76.84,22.52 77.04,22.75 77.25,22.97 77.48,23.17 77.72,23.35 77.97,23.51 78.24,23.66 78.52,23.78 78.8,23.88 79.1,23.96 79.39,24.02 79.7,24.06 80,24.07 80.3,24.07 80.61,24.04 80.91,23.98 81.2,23.91 81.49,23.81 81.78,23.69 82.05,23.55 82.31,23.39 82.56,23.21 82.79,23.01 83.01,22.79 83.21,22.56 83.4,22.32 83.57,22.06 83.71,21.79 83.84,21.51 83.94,21.22 84.03,20.92 84.09,20.62 84.12,20.31 84.14,20 84.13,19.69 84.1,19.38 84.04,19.08 83.97,18.78 83.87,18.48 83.74,18.2 83.6,17.92 83.44,17.66 83.26,17.4 83.05,17.17 82.84,16.94 82.6,16.74 82.35,16.55 82.09,16.38 81.81,16.23 81.53,16.1 81.23,16 80.93,15.91 80.63,15.85 80.31,15.81 80,15.8 79.7,15.81 79.4,15.84 79.11,15.89 78.81,15.96 78.53,16.05 78.25,16.16 77.98,16.3 77.72,16.45 77.47,16.62 77.23,16.8 77.01,17.01 76.8,17.23 76.61,17.46 76.43,17.71 76.28,17.97 76.14,18.24 76.02,18.52 75.92,18.8 75.84,19.1 75.79,19.39 75.75,19.7 75.74,20 75.75,20.3 75.78,20.61 75.83,20.91 75.9,21.2 75.99,21.49 76.11,21.78 76.24,22.05 76.4,22.32 76.57,22.57 76.76,22.81 76.96,23.04 77.19,23.25 77.42,23.44 77.67,23.62 77.94,23.78 78.21,23.92 78.49,24.04 78.78,24.14 79.08,24.22 79.39,24.28 79.69,24.31 80,24.32 80.31,24.32 80.62,24.29 80.92,24.23 81.22,24.16 81.52,24.07 81.8,23.95 82.08,23.81 82.35,23.66 82.61,23.48 82.85,23.29 83.08,23.08 83.29,22.85 83.49,22.61 83.67,22.36 83.83,22.09 83.98,21.82 84.1,21.53 84.2,21.23 84.28,20.93 84.34,20.62 84.37,20.31 84.39,20 84.38,19.69 84.35,19.37 84.3,19.07 84.22,18.76 84.12,18.46 84.01,18.17 83.87,17.89 83.71,17.62 83.53,17.36 83.34,17.11 83.12,16.88 82.9,16.66 82.65,16.46 82.39,16.28 82.12,16.11 81.84,15.97 81.55,15.84 81.25,15.74 80.94,15.66 80.63,15.6 80.32,15.56 80,15.55 80,15.35 v1(80.35,15)